# Allegro board 6089-119-RevA_41.brd (continued)
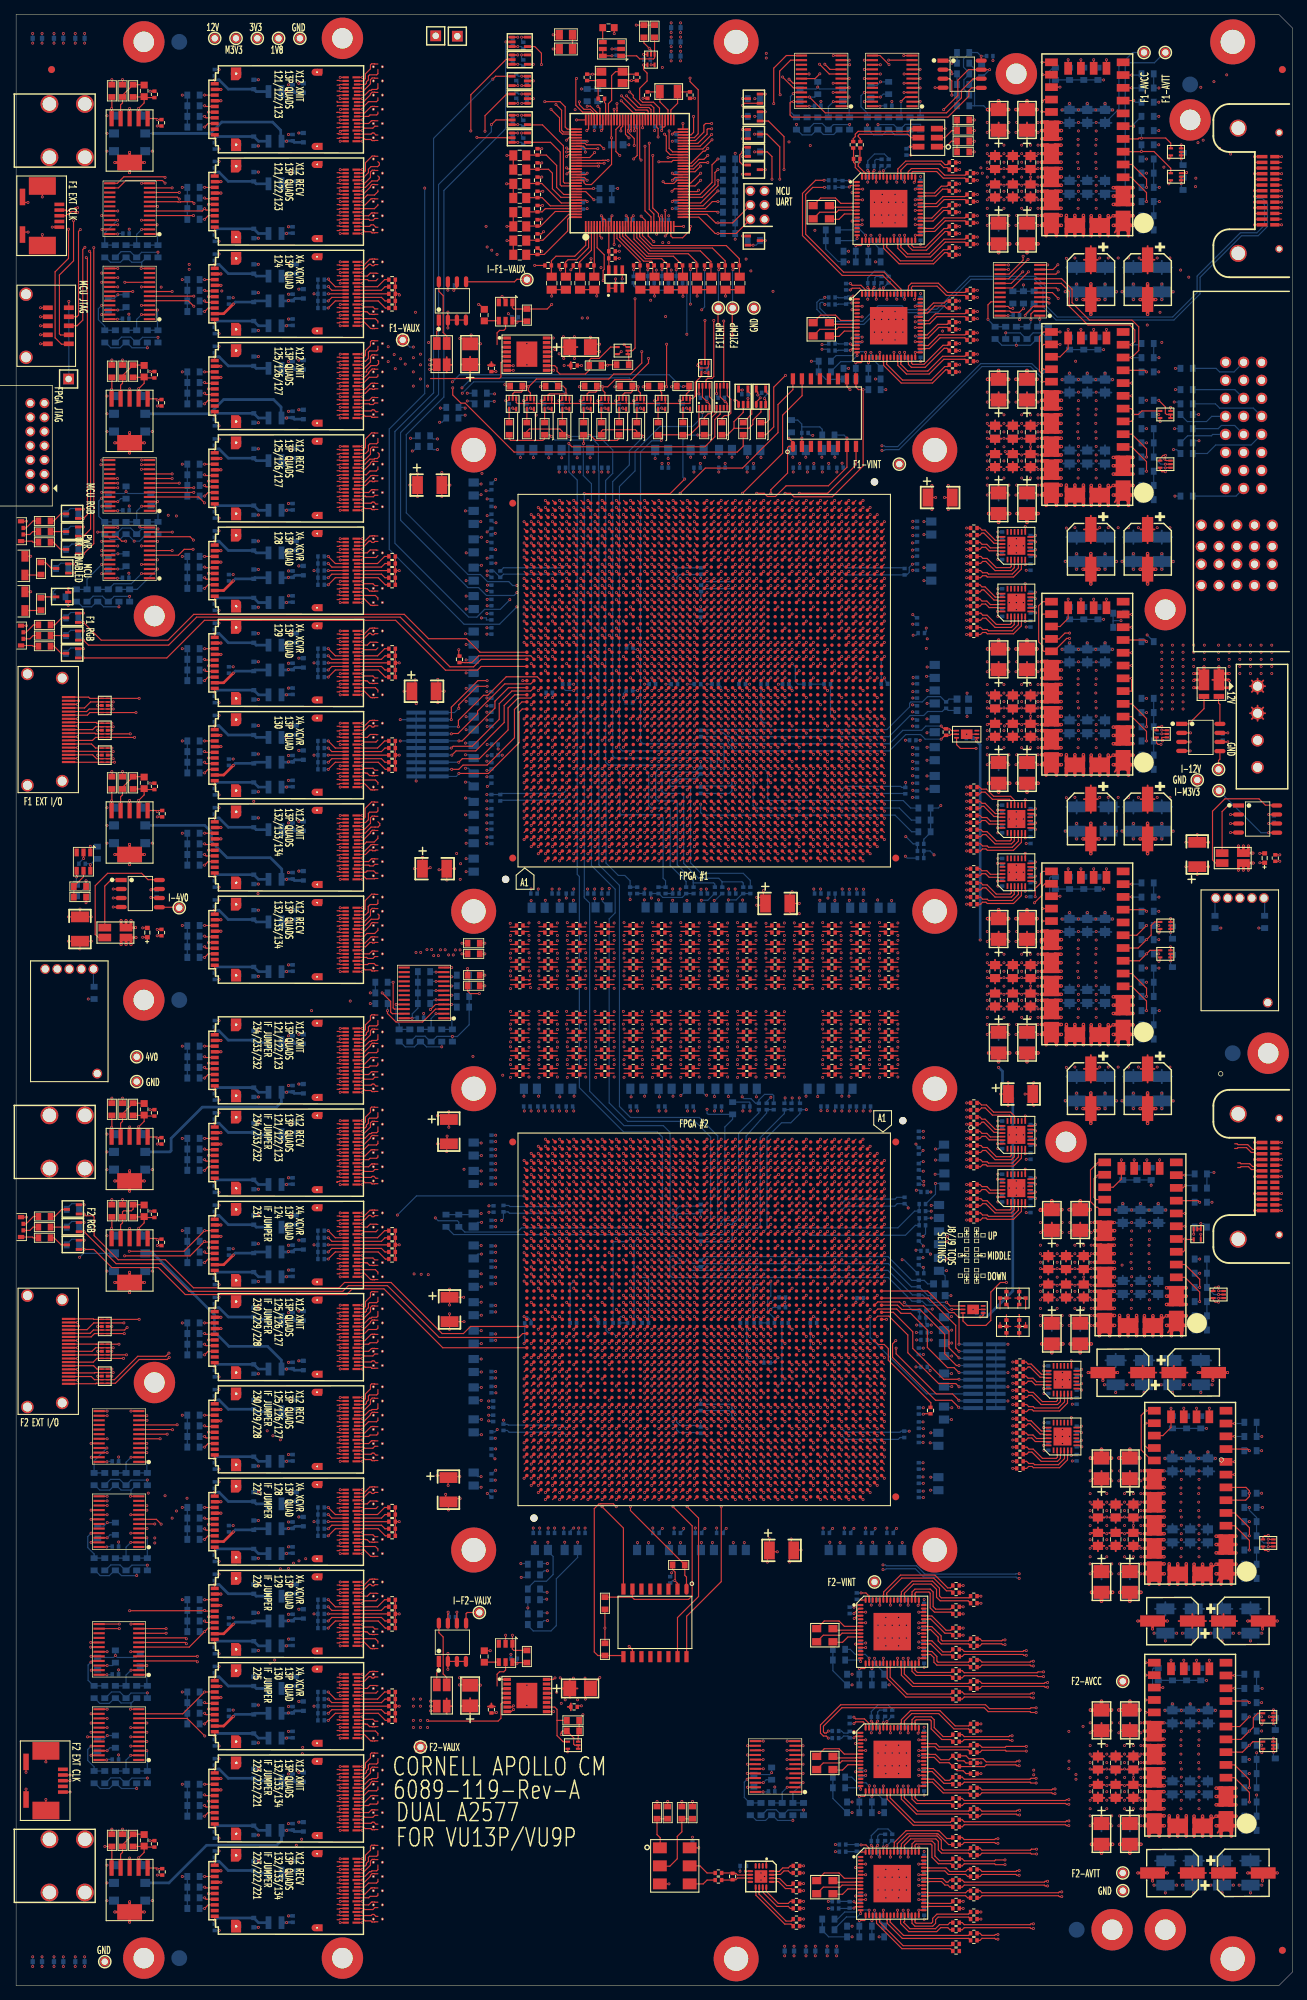
[diagram p0: board, top side]
## Routing (per net, layer and track width the routed paths; a pad name or vN(x,y) marks a point on that pad's centre or on a via; arc(x,y) is an arc through that point) (continued)
  GND5 w0.254: 49.98,28.4 VA95.3 ; VA95.3 50.04,28.72 ; VA95.3 50.37,28.02 ; VA95.3 50.18,27.99 ; VA95.3 50.04,28.08 ; VA95.3 50.37,28.78 ; VA95.3 49.95,28.21 ; VA95.3 49.95,28.59 ; 50.37,194.52 VA32.4 ; VA32.4 50.37,195.28 ; VA32.4 50.18,194.49 ; VA32.4 49.95,194.71 ; VA32.4 49.98,194.9 ; VA32.4 49.95,195.09 ; VA32.4 50.04,194.58 ; VA32.4 50.04,195.22 ; 50.04,229.08 VA18.3 ; VA18.3 50.37,229.78 ; VA18.3 50.37,229.02 ; VA18.3 49.95,229.21 ; VA18.3 49.98,229.4 ; VA18.3 50.18,228.99 ; VA18.3 49.95,229.59 ; VA18.3 50.04,229.72 ; 50.18,133.99 VA54.3 ; VA54.3 49.95,134.21 ; VA54.3 50.37,134.78 ; VA54.3 50.37,134.02 ; VA54.3 49.95,134.59 ; VA54.3 50.04,134.08 ; VA54.3 50.04,134.72 ; VA54.3 49.98,134.4 ; 49.98,41.9 VA90.3 ; VA90.3 50.04,42.22 ; VA90.3 49.95,41.71 ; VA90.3 50.37,41.52 ; VA90.3 50.37,42.28 ; VA90.3 50.04,41.58 ; VA90.3 49.95,42.09 ; VA90.3 50.18,41.49 ; VA24.4 52.05,216.59 ; VA24.4 52.05,216.21 ; VA24.4 51.96,216.08 ; VA24.4 51.63,216.78 ; VA24.4 51.96,216.72 ; VA24.4 52.02,216.4 ; VA24.4 51.82,216.81 ; VA24.4 51.63,216.02 ; VA28.4 52.05,208.59 ; VA28.4 51.96,208.08 ; VA28.4 51.63,208.78 ; VA28.4 51.63,208.02 ; VA28.4 52.02,208.4 ; VA28.4 52.05,208.21 ; VA28.4 51.96,208.72 ; VA28.4 51.82,208.81 ; 50.04,113.08 VA64.3 ; VA64.3 50.37,113.78 ; VA64.3 49.95,113.59 ; VA64.3 50.18,112.99 ; VA64.3 49.95,113.21 ; VA64.3 50.37,113.02 ; VA64.3 49.98,113.4 ; VA64.3 50.04,113.72 ; 49.95,68.09 VA82.3 ; VA82.3 50.18,67.49 ; VA82.3 49.98,67.9 ; VA82.3 50.37,68.28 ; VA82.3 49.95,67.71 ; VA82.3 50.37,67.52 ; VA82.3 50.04,68.22 ; VA82.3 50.04,67.58 ; 49.95,91.59 VA72.3 ; VA72.3 50.37,91.02 ; VA72.3 50.04,91.72 ; VA72.3 49.98,91.4 ; VA72.3 49.95,91.21 ; VA72.3 50.37,91.78 ; VA72.3 50.18,90.99 ; VA72.3 50.04,91.08 ; VA91.3 51.96,37.22 ; VA91.3 51.96,36.58 ; VA91.3 51.63,36.52 ; VA91.3 52.05,37.09 ; VA91.3 51.82,37.31 ; VA91.3 51.63,37.28 ; VA91.3 52.02,36.9 ; VA91.3 52.05,36.71 ; VA55.4 51.82,132.81 ; VA55.4 51.63,132.78 ; VA55.4 52.02,132.4 ; VA55.4 52.05,132.21 ; VA55.4 51.63,132.02 ; VA55.4 51.96,132.08 ; VA55.4 51.96,132.72 ; VA55.4 52.05,132.59 ; 50.37,201.52 VA30.3 ; VA30.3 50.04,202.22 ; VA30.3 49.95,202.09 ; VA30.3 49.98,201.9 ; VA30.3 50.04,201.58 ; VA30.3 50.37,202.28 ; VA30.3 49.95,201.71 ; VA30.3 50.18,201.49 ; 51.63,170.52 VA39.3 ; VA39.3 52.05,170.71 ; VA39.3 51.63,171.28 ; VA39.3 51.96,171.22 ; VA39.3 51.96,170.58 ; VA39.3 52.02,170.9 ; VA39.3 52.05,171.09 ; VA39.3 51.82,171.31 ; 51.63,54.52 VA86.4 ; VA86.4 51.63,55.28 ; VA86.4 51.96,54.58 ; VA86.4 51.82,55.31 ; VA86.4 51.96,55.22 ; VA86.4 52.05,55.09 ; VA86.4 52.02,54.9 ; VA86.4 52.05,54.71 ; VA23.4 52.05,218.21 ; VA23.4 51.96,218.72 ; VA23.4 51.63,218.78 ; VA23.4 51.63,218.02 ; VA23.4 52.02,218.4 ; VA23.4 51.82,218.81 ; VA23.4 51.96,218.08 ; VA23.4 52.05,218.59 ; 49.95,93.59 VA71.3 ; VA71.3 50.18,92.99 ; VA71.3 50.37,93.78 ; VA71.3 50.04,93.72 ; VA71.3 50.37,93.02 ; VA71.3 49.95,93.21 ; VA71.3 50.04,93.08 ; VA71.3 49.98,93.4 ; VA31.3 51.96,197.22 ; VA31.3 51.82,197.31 ; VA31.3 52.05,197.09 ; VA31.3 52.02,196.9 ; VA31.3 52.05,196.71 ; VA31.3 51.96,196.58 ; VA31.3 51.63,197.28 ; VA31.3 51.63,196.52 ; 50.04,76.72 VA79.3 ; VA79.3 50.18,75.99 ; VA79.3 49.95,76.59 ; VA79.3 49.98,76.4 ; VA79.3 50.04,76.08 ; VA79.3 50.37,76.78 ; VA79.3 49.95,76.21 ; VA79.3 50.37,76.02 ; PM1.1 13.38,3.4 ; PM1.1 13.17,2.73 ; PM1.1 11.83,2.73 ; PM1.1 12.5,4.28 ; PM1.1 12.5,2.52 ; PM1.1 11.83,4.07 ; PM1.1 13.17,4.07 ; PM1.1 11.62,3.4 ; 51.63,225.02 VA20.4 ; VA20.4 51.96,225.08 ; VA20.4 52.02,225.4 ; VA20.4 52.05,225.21 ; VA20.4 51.63,225.78 ; VA20.4 52.05,225.59 ; VA20.4 51.82,225.81 ; VA20.4 51.96,225.72 ; VA2.4 51.63,268.78 ; VA2.4 52.05,268.59 ; VA2.4 51.82,268.81 ; VA2.4 51.96,268.08 ; VA2.4 51.96,268.72 ; VA2.4 52.02,268.4 ; VA2.4 51.63,268.02 ; VA2.4 52.05,268.21 ; 51.63,229.02 VA18.4 ; VA18.4 52.05,229.59 ; VA18.4 51.82,229.81 ; VA18.4 51.96,229.72 ; VA18.4 52.05,229.21 ; VA18.4 52.02,229.4 ; VA18.4 51.63,229.78 ; VA18.4 51.96,229.08 ; VA101.4 51.82,15.81 ; VA101.4 52.05,15.59 ; VA101.4 51.96,15.08 ; VA101.4 52.02,15.4 ; VA101.4 51.63,15.78 ; VA101.4 51.63,15.02 ; VA101.4 51.96,15.72 ; VA101.4 52.05,15.21 ; 50.18,86.99 VA74.3 ; VA74.3 50.37,87.78 ; VA74.3 49.95,87.59 ; VA74.3 50.37,87.02 ; VA74.3 49.98,87.4 ; VA74.3 50.04,87.72 ; VA74.3 49.95,87.21 ; VA74.3 50.04,87.08 ; VA46.4 52.02,156.4 ; VA46.4 51.63,156.02 ; VA46.4 51.63,156.78 ; VA46.4 51.96,156.08 ; VA46.4 51.82,156.81 ; VA46.4 51.96,156.72 ; VA46.4 52.05,156.21 ; VA46.4 52.05,156.59 ; VA84.3 51.63,61.28 ; VA84.3 52.05,60.71 ; VA84.3 52.02,60.9 ; VA84.3 51.82,61.31 ; VA84.3 51.96,61.22 ; VA84.3 51.96,60.58 ; VA84.3 52.05,61.09 ; VA84.3 51.63,60.52 ; 51.63,190.52 VA33.4 ; VA33.4 51.82,191.31 ; VA33.4 51.96,191.22 ; VA33.4 51.96,190.58 ; VA33.4 51.63,191.28 ; VA33.4 52.05,190.71 ; VA33.4 52.02,190.9 ; VA33.4 52.05,191.09 ; VA58.4 51.96,126.08 ; VA58.4 52.05,126.59 ; VA58.4 51.63,126.02 ; VA58.4 52.02,126.4 ; VA58.4 51.96,126.72 ; VA58.4 51.82,126.81 ; VA58.4 52.05,126.21 ; VA58.4 51.63,126.78 ; VA94.3 50.37,30.78 ; VA94.3 50.04,30.08 ; VA94.3 50.18,29.99 ; VA94.3 50.37,30.02 ; VA94.3 49.95,30.21 ; VA94.3 49.95,30.59 ; VA94.3 50.04,30.72 ; VA94.3 49.98,30.4 ; VA99.4 51.63,19.78 ; VA99.4 51.96,19.08 ; VA99.4 52.02,19.4 ; VA99.4 51.63,19.02 ; VA99.4 51.82,19.81 ; VA99.4 51.96,19.72 ; VA99.4 52.05,19.21 ; VA99.4 52.05,19.59 ; 49.95,61.09 VA84.4 ; VA84.4 50.37,60.52 ; VA84.4 50.04,60.58 ; VA84.4 49.95,60.71 ; VA84.4 50.37,61.28 ; VA84.4 50.18,60.49 ; VA84.4 49.98,60.9 ; VA84.4 50.04,61.22 ; VA56.4 52.02,130.4 ; VA56.4 52.05,130.21 ; VA56.4 51.82,130.81 ; VA56.4 51.96,130.08 ; VA56.4 51.96,130.72 ; VA56.4 51.63,130.02 ; VA56.4 51.63,130.78 ; VA56.4 52.05,130.59 ; 6.5,168.67 J5.21 ; J5.21 5.69,170.54 ; J5.21 7.57,169.74 ; J5.21 5.69,168.93 ; J5.21 5.43,169.74 ; J5.21 6.5,170.8 ; J5.21 7.31,170.54 ; J5.21 7.31,168.93 ; VA63.4 51.82,115.81 ; VA63.4 52.05,115.59 ; VA63.4 51.63,115.02 ; VA63.4 51.96,115.72 ; VA63.4 51.96,115.08 ; VA63.4 52.02,115.4 ; VA63.4 52.05,115.21 ; VA63.4 51.63,115.78 ; VA32.3 51.96,195.22 ; VA32.3 52.05,194.71 ; VA32.3 51.96,194.58 ; VA32.3 52.05,195.09 ; VA32.3 52.02,194.9 ; VA32.3 51.63,195.28 ; VA32.3 51.82,195.31 ; VA32.3 51.63,194.52 ; PM21.1 156.67,12.73 ; PM21.1 155.12,13.4 ; PM21.1 155.33,14.07 ; PM21.1 155.33,12.73 ; PM21.1 156.88,13.4 ; PM21.1 156.67,14.07 ; PM21.1 156,12.52 ; PM21.1 156,14.28 ; VA44.4 52.05,160.21 ; VA44.4 52.05,160.59 ; VA44.4 51.96,160.08 ; VA44.4 51.63,160.02 ; VA44.4 51.82,160.81 ; VA44.4 51.63,160.78 ; VA44.4 51.96,160.72 ; VA44.4 52.02,160.4 ; U1.3 7.5,144.14 ; U1.3 8.17,143.94 ; U1.3 8.17,142.6 ; U1.3 6.83,143.94 ; U1.3 6.83,142.6 ; U1.3 7.12,142.4 ; U1.3 7.88,144.14 ; U1.3 7.5,142.39 ; VA100.4 51.96,17.08 ; VA100.4 52.05,17.21 ; VA100.4 51.82,17.81 ; VA100.4 51.63,17.02 ; VA100.4 52.02,17.4 ; VA100.4 51.96,17.72 ; VA100.4 52.05,17.59 ; VA100.4 51.63,17.78 ; 50.37,218.02 VA23.3 ; VA23.3 50.04,218.72 ; VA23.3 50.37,218.78 ; VA23.3 50.04,218.08 ; VA23.3 50.18,217.99 ; VA23.3 49.95,218.21 ; VA23.3 49.98,218.4 ; VA23.3 49.95,218.59 ; VA17.4 51.82,231.81 ; VA17.4 52.05,231.59 ; VA17.4 51.63,231.02 ; VA17.4 52.05,231.21 ; VA17.4 51.63,231.78 ; VA17.4 51.96,231.08 ; VA17.4 51.96,231.72 ; VA17.4 52.02,231.4 ; 50.04,184.22 VA35.4 ; VA35.4 50.37,183.52 ; VA35.4 50.18,183.49 ; VA35.4 49.98,183.9 ; VA35.4 49.95,184.09 ; VA35.4 50.04,183.58 ; VA35.4 50.37,184.28 ; VA35.4 49.95,183.71 ; VA54.4 51.63,134.78 ; VA54.4 52.05,134.59 ; VA54.4 51.96,134.72 ; VA54.4 52.02,134.4 ; VA54.4 52.05,134.21 ; VA54.4 51.96,134.08 ; VA54.4 51.63,134.02 ; VA54.4 51.82,134.81 ; 50.18,220.99 VA22.3 ; VA22.3 49.95,221.59 ; VA22.3 50.04,221.72 ; VA22.3 50.37,221.02 ; VA22.3 50.04,221.08 ; VA22.3 50.37,221.78 ; VA22.3 49.98,221.4 ; VA22.3 49.95,221.21 ; VA45.3 50.37,158.78 ; VA45.3 49.98,158.4 ; VA45.3 50.04,158.08 ; VA45.3 50.04,158.72 ; VA45.3 49.95,158.59 ; VA45.3 49.95,158.21 ; VA45.3 50.18,157.99 ; VA45.3 50.37,158.02 ; VA52.4 51.63,143.78 ; VA52.4 52.05,143.21 ; VA52.4 51.82,143.81 ; VA52.4 52.02,143.4 ; VA52.4 51.96,143.08 ; VA52.4 52.05,143.59 ; VA52.4 51.96,143.72 ; VA52.4 51.63,143.02 ; VA98.4 52.02,22.4 ; VA98.4 52.05,22.59 ; VA98.4 52.05,22.21 ; VA98.4 51.96,22.08 ; VA98.4 51.82,22.81 ; VA98.4 51.63,22.02 ; VA98.4 51.96,22.72 ; VA98.4 51.63,22.78 ; 50.18,83.99 VA75.3 ; VA75.3 50.37,84.02 ; VA75.3 49.98,84.4 ; VA75.3 50.37,84.78 ; VA75.3 50.04,84.08 ; VA75.3 49.95,84.21 ; VA75.3 50.04,84.72 ; VA75.3 49.95,84.59 ; VA8.4 51.96,255.72 ; VA8.4 51.63,255.02 ; VA8.4 52.02,255.4 ; VA8.4 51.82,255.81 ; VA8.4 51.63,255.78 ; VA8.4 51.96,255.08 ; VA8.4 52.05,255.59 ; VA8.4 52.05,255.21 ; 50.04,176.22 VA38.3 ; VA38.3 50.37,175.52 ; VA38.3 50.18,175.49 ; VA38.3 49.95,175.71 ; VA38.3 50.37,176.28 ; VA38.3 50.04,175.58 ; VA38.3 49.98,175.9 ; VA38.3 49.95,176.09 ; PM9.1 40,275.28 ; PM9.1 39.12,274.4 ; PM9.1 40.88,274.4 ; PM9.1 39.33,275.07 ; PM9.1 40.67,275.07 ; PM9.1 40,273.52 ; PM9.1 39.33,273.73 ; PM9.1 40.67,273.73 ; VA81.4 51.96,69.58 ; VA81.4 52.02,69.9 ; VA81.4 52.05,70.09 ; VA81.4 51.82,70.31 ; VA81.4 51.63,70.28 ; VA81.4 51.96,70.22 ; VA81.4 51.63,69.52 ; VA81.4 52.05,69.71 ; VA67.3 51.96,101.58 ; VA67.3 52.02,101.9 ; VA67.3 51.63,101.52 ; VA67.3 51.82,102.31 ; VA67.3 51.96,102.22 ; VA67.3 52.05,101.71 ; VA67.3 52.05,102.09 ; VA67.3 51.63,102.28 ; 49.98,227.4 VA19.3 ; VA19.3 50.37,227.78 ; VA19.3 50.18,226.99 ; VA19.3 50.37,227.02 ; VA19.3 49.95,227.21 ; VA19.3 49.95,227.59 ; VA19.3 50.04,227.08 ; VA19.3 50.04,227.72 ; 49.95,123.21 VA59.3 ; VA59.3 49.98,123.4 ; VA59.3 50.04,123.08 ; VA59.3 50.37,123.02 ; VA59.3 50.18,122.99 ; VA59.3 49.95,123.59 ; VA59.3 50.04,123.72 ; VA59.3 50.37,123.78 ; 50.04,164.08 VA42.3 ; VA42.3 49.95,164.59 ; VA42.3 49.98,164.4 ; VA42.3 50.18,163.99 ; VA42.3 49.95,164.21 ; VA42.3 50.37,164.02 ; VA42.3 50.04,164.72 ; VA42.3 50.37,164.78 ; VA24.3 50.37,216.78 ; VA24.3 50.04,216.72 ; VA24.3 50.37,216.02 ; VA24.3 49.95,216.59 ; VA24.3 50.18,215.99 ; VA24.3 50.04,216.08 ; VA24.3 49.95,216.21 ; VA24.3 49.98,216.4 ; 50.37,17.02 VA100.3 ; VA100.3 49.95,17.21 ; VA100.3 49.95,17.59 ; VA100.3 50.04,17.08 ; VA100.3 50.04,17.72 ; VA100.3 50.37,17.78 ; VA100.3 50.18,16.99 ; VA100.3 49.98,17.4 ; VA37.4 51.96,178.22 ; VA37.4 52.02,177.9 ; VA37.4 51.82,178.31 ; VA37.4 52.05,177.71 ; VA37.4 51.63,177.52 ; VA37.4 51.63,178.28 ; VA37.4 51.96,177.58 ; VA37.4 52.05,178.09 ; 50.18,81.99 VA76.3 ; VA76.3 49.98,82.4 ; VA76.3 49.95,82.59 ; VA76.3 50.37,82.02 ; VA76.3 50.04,82.72 ; VA76.3 50.04,82.08 ; VA76.3 49.95,82.21 ; VA76.3 50.37,82.78 ; VA21.4 52.05,223.21 ; VA21.4 51.82,223.81 ; VA21.4 52.02,223.4 ; VA21.4 51.63,223.78 ; VA21.4 51.63,223.02 ; VA21.4 52.05,223.59 ; VA21.4 51.96,223.08 ; VA21.4 51.96,223.72 ; VA21.3 50.37,223.78 ; VA21.3 50.18,222.99 ; VA21.3 50.37,223.02 ; VA21.3 49.95,223.59 ; VA21.3 49.95,223.21 ; VA21.3 50.04,223.08 ; VA21.3 50.04,223.72 ; VA21.3 49.98,223.4 ; VA10.4 51.63,251.78 ; VA10.4 51.82,251.81 ; VA10.4 52.02,251.4 ; VA10.4 51.63,251.02 ; VA10.4 52.05,251.59 ; VA10.4 51.96,251.08 ; VA10.4 52.05,251.21 ; VA10.4 51.96,251.72 ; 50.37,268.02 VA2.3 ; VA2.3 49.95,268.59 ; VA2.3 49.95,268.21 ; VA2.3 49.98,268.4 ; VA2.3 50.18,267.99 ; VA2.3 50.04,268.08 ; VA2.3 50.37,268.78 ; VA2.3 50.04,268.72 ; 50.18,25.99 VA96.3 ; VA96.3 50.37,26.78 ; VA96.3 50.37,26.02 ; VA96.3 50.04,26.08 ; VA96.3 50.04,26.72 ; VA96.3 49.95,26.21 ; VA96.3 49.98,26.4 ; VA96.3 49.95,26.59 ; VA77.4 52.05,80.59 ; VA77.4 51.82,80.81 ; VA77.4 51.96,80.72 ; VA77.4 51.96,80.08 ; VA77.4 52.05,80.21 ; VA77.4 51.63,80.02 ; VA77.4 51.63,80.78 ; VA77.4 52.02,80.4 ; 49.95,117.21 VA62.3 ; VA62.3 49.98,117.4 ; VA62.3 50.04,117.08 ; VA62.3 50.04,117.72 ; VA62.3 50.37,117.78 ; VA62.3 49.95,117.59 ; VA62.3 50.37,117.02 ; VA62.3 50.18,116.99 ; 49.95,55.09 VA86.3 ; VA86.3 50.37,55.28 ; VA86.3 50.04,54.58 ; VA86.3 49.95,54.71 ; VA86.3 49.98,54.9 ; VA86.3 50.37,54.52 ; VA86.3 50.18,54.49 ; VA86.3 50.04,55.22 ; VA72.4 51.96,91.72 ; VA72.4 51.96,91.08 ; VA72.4 52.05,91.21 ; VA72.4 51.63,91.02 ; VA72.4 51.63,91.78 ; VA72.4 51.82,91.81 ; VA72.4 52.02,91.4 ; VA72.4 52.05,91.59 ; 49.95,153.21 VA47.3 ; VA47.3 50.37,153.78 ; VA47.3 50.18,152.99 ; VA47.3 49.95,153.59 ; VA47.3 50.04,153.72 ; VA47.3 50.37,153.02 ; VA47.3 49.98,153.4 ; VA47.3 50.04,153.08 ; 50.18,259.99 VA6.3 ; VA6.3 50.37,260.78 ; VA6.3 49.95,260.59 ; VA6.3 49.98,260.4 ; VA6.3 49.95,260.21 ; VA6.3 50.04,260.08 ; VA6.3 50.04,260.72 ; VA6.3 50.37,260.02 ; VA70.4 52.05,95.21 ; VA70.4 51.63,95.78 ; VA70.4 51.63,95.02 ; VA70.4 51.82,95.81 ; VA70.4 51.96,95.08 ; VA70.4 51.96,95.72 ; VA70.4 52.05,95.59 ; VA70.4 52.02,95.4 ; 50.04,270.72 VA1.3 ; VA1.3 50.37,270.78 ; VA1.3 49.95,270.59 ; VA1.3 49.95,270.21 ; VA1.3 49.98,270.4 ; VA1.3 50.18,269.99 ; VA1.3 50.37,270.02 ; VA1.3 50.04,270.08 ; 51.63,188.52 VA34.4 ; VA34.4 51.63,189.28 ; VA34.4 52.05,189.09 ; VA34.4 52.05,188.71 ; VA34.4 51.96,188.58 ; VA34.4 51.82,189.31 ; VA34.4 51.96,189.22 ; VA34.4 52.02,188.9 ; VA90.4 52.05,41.71 ; VA90.4 51.63,42.28 ; VA90.4 51.96,42.22 ; VA90.4 51.82,42.31 ; VA90.4 52.05,42.09 ; VA90.4 52.02,41.9 ; VA90.4 51.96,41.58 ; VA90.4 51.63,41.52 ; VA42.4 52.02,164.4 ; VA42.4 51.82,164.81 ; VA42.4 51.96,164.08 ; VA42.4 52.05,164.59 ; VA42.4 52.05,164.21 ; VA42.4 51.63,164.78 ; VA42.4 51.63,164.02 ; VA42.4 51.96,164.72 ; U122.3 173.17,153.94 ; U122.3 171.83,152.6 ; U122.3 171.83,153.94 ; U122.3 172.12,152.4 ; U122.3 172.88,154.14 ; U122.3 173.17,152.6 ; U122.3 172.5,154.14 ; U122.3 172.5,152.39 ; 165.62,169.9 PM24.1 ; PM24.1 166.5,169.02 ; PM24.1 165.83,170.57 ; PM24.1 167.17,169.23 ; PM24.1 165.83,169.23 ; PM24.1 167.38,169.9 ; PM24.1 167.17,170.57 ; PM24.1 166.5,170.78 ; 50.18,23.99 VA97.3 ; VA97.3 50.37,24.78 ; VA97.3 49.98,24.4 ; VA97.3 49.95,24.21 ; VA97.3 50.04,24.72 ; VA97.3 50.04,24.08 ; VA97.3 49.95,24.59 ; VA97.3 50.37,24.02 ; J6.23 2.05,98.29 ; J6.23 1.6,96.18 ; J6.23 1.6,98.32 ; J6.23 1.15,96.2 ; J6.23 2.4,98.05 ; J6.23 2.64,97.7 ; J6.23 2.4,96.44 ; J6.23 2.66,97.25 ; 51.63,82.02 VA76.4 ; VA76.4 52.05,82.21 ; VA76.4 52.02,82.4 ; VA76.4 51.63,82.78 ; VA76.4 51.82,82.81 ; VA76.4 52.05,82.59 ; VA76.4 51.96,82.08 ; VA76.4 51.96,82.72 ; 50.04,181.58 VA36.4 ; VA36.4 49.95,182.09 ; VA36.4 50.37,182.28 ; VA36.4 50.18,181.49 ; VA36.4 50.04,182.22 ; VA36.4 49.95,181.71 ; VA36.4 50.37,181.52 ; VA36.4 49.98,181.9 ; VA13.3 50.37,243.28 ; VA13.3 50.04,242.58 ; VA13.3 50.37,242.52 ; VA13.3 50.04,243.22 ; VA13.3 49.95,243.09 ; VA13.3 49.98,242.9 ; VA13.3 50.18,242.49 ; VA13.3 49.95,242.71 ; 49.95,264.21 VA4.3 ; VA4.3 49.95,264.59 ; VA4.3 50.04,264.08 ; VA4.3 50.37,264.02 ; VA4.3 50.18,263.99 ; VA4.3 50.37,264.78 ; VA4.3 49.98,264.4 ; VA4.3 50.04,264.72 ; J6.20 2.66,81.55 ; J6.20 1.6,82.62 ; J6.20 2.4,82.36 ; J6.20 2.05,82.6 ; J6.20 1.15,80.51 ; J6.20 2.4,80.75 ; J6.20 2.64,82 ; J6.20 1.6,80.48 ; VA73.4 52.05,89.59 ; VA73.4 51.96,89.72 ; VA73.4 51.63,89.02 ; VA73.4 51.63,89.78 ; VA73.4 51.82,89.81 ; VA73.4 51.96,89.08 ; VA73.4 52.02,89.4 ; VA73.4 52.05,89.21 ; VA104.4 52.05,9.21 ; VA104.4 51.63,9.02 ; VA104.4 52.05,9.59 ; VA104.4 51.96,9.72 ; VA104.4 51.82,9.81 ; VA104.4 51.96,9.08 ; VA104.4 52.02,9.4 ; VA104.4 51.63,9.78 ; VA74.4 51.96,87.08 ; VA74.4 51.63,87.78 ; VA74.4 52.05,87.21 ; VA74.4 51.63,87.02 ; VA74.4 51.82,87.81 ; VA74.4 52.05,87.59 ; VA74.4 51.96,87.72 ; VA74.4 52.02,87.4 ; J5.23 2.4,184.04 ; J5.23 1.6,185.92 ; J5.23 2.05,185.89 ; J5.23 2.66,184.85 ; J5.23 2.4,185.65 ; J5.23 1.6,183.78 ; J5.23 1.15,183.8 ; J5.23 2.64,185.3 ; VA11.4 52.05,249.59 ; VA11.4 52.05,249.21 ; VA11.4 51.63,249.78 ; VA11.4 52.02,249.4 ; VA11.4 51.96,249.08 ; VA11.4 51.82,249.81 ; VA11.4 51.63,249.02 ; VA11.4 51.96,249.72 ; VA49.3 50.37,149.78 ; VA49.3 49.95,149.59 ; VA49.3 49.98,149.4 ; VA49.3 50.37,149.02 ; VA49.3 50.04,149.72 ; VA49.3 50.18,148.99 ; VA49.3 49.95,149.21 ; VA49.3 50.04,149.08 ; 50.04,208.08 VA28.3 ; VA28.3 49.98,208.4 ; VA28.3 50.18,207.99 ; VA28.3 49.95,208.21 ; VA28.3 50.37,208.78 ; VA28.3 49.95,208.59 ; VA28.3 50.04,208.72 ; VA28.3 50.37,208.02 ; 49.95,9.59 VA104.3 ; VA104.3 50.37,9.78 ; VA104.3 49.98,9.4 ; VA104.3 50.37,9.02 ; VA104.3 50.04,9.72 ; VA104.3 49.95,9.21 ; VA104.3 50.18,8.99 ; VA104.3 50.04,9.08 ; 49.95,97.21 VA69.3 ; VA69.3 49.95,97.59 ; VA69.3 50.04,97.72 ; VA69.3 50.37,97.02 ; VA69.3 50.04,97.08 ; VA69.3 50.18,96.99 ; VA69.3 50.37,97.78 ; VA69.3 49.98,97.4 ; VA6.4 51.96,260.08 ; VA6.4 52.05,260.59 ; VA6.4 52.02,260.4 ; VA6.4 52.05,260.21 ; VA6.4 51.96,260.72 ; VA6.4 51.63,260.78 ; VA6.4 51.82,260.81 ; VA6.4 51.63,260.02 ; 49.98,15.4 VA101.3 ; VA101.3 49.95,15.59 ; VA101.3 50.37,15.78 ; VA101.3 50.37,15.02 ; VA101.3 50.04,15.08 ; VA101.3 50.18,14.99 ; VA101.3 49.95,15.21 ; VA101.3 50.04,15.72 ; 49.98,196.9 VA31.4 ; VA31.4 50.37,197.28 ; VA31.4 49.95,197.09 ; VA31.4 49.95,196.71 ; VA31.4 50.18,196.49 ; VA31.4 50.04,196.58 ; VA31.4 50.37,196.52 ; VA31.4 50.04,197.22 ; VA27.4 51.82,210.81 ; VA27.4 51.63,210.02 ; VA27.4 51.63,210.78 ; VA27.4 52.05,210.59 ; VA27.4 52.02,210.4 ; VA27.4 51.96,210.72 ; VA27.4 52.05,210.21 ; VA27.4 51.96,210.08 ; 50.37,121.02 VA60.3 ; VA60.3 50.04,121.08 ; VA60.3 50.18,120.99 ; VA60.3 49.95,121.21 ; VA60.3 50.37,121.78 ; VA60.3 49.95,121.59 ; VA60.3 49.98,121.4 ; VA60.3 50.04,121.72 ; VA79.4 52.05,76.59 ; VA79.4 51.96,76.72 ; VA79.4 51.82,76.81 ; VA79.4 51.96,76.08 ; VA79.4 52.05,76.21 ; VA79.4 51.63,76.78 ; VA79.4 51.63,76.02 ; VA79.4 52.02,76.4 ; VA64.4 51.82,113.81 ; VA64.4 51.96,113.08 ; VA64.4 51.63,113.78 ; VA64.4 52.05,113.59 ; VA64.4 51.63,113.02 ; VA64.4 52.02,113.4 ; VA64.4 51.96,113.72 ; VA64.4 52.05,113.21 ; J6.21 6.5,83.2 ; J6.21 7.57,82.14 ; J6.21 6.5,81.07 ; J6.21 7.31,82.94 ; J6.21 7.31,81.33 ; J6.21 5.69,82.94 ; J6.21 5.69,81.33 ; J6.21 5.43,82.14 ; 49.98,162.4 VA43.3 ; VA43.3 50.37,162.78 ; VA43.3 50.04,162.72 ; VA43.3 50.04,162.08 ; VA43.3 50.18,161.99 ; VA43.3 49.95,162.59 ; VA43.3 50.37,162.02 ; VA43.3 49.95,162.21 ; 50.37,147.02 VA50.3 ; VA50.3 50.37,147.78 ; VA50.3 50.18,146.99 ; VA50.3 49.95,147.59 ; VA50.3 50.04,147.72 ; VA50.3 49.98,147.4 ; VA50.3 50.04,147.08 ; VA50.3 49.95,147.21 ; 51.63,119.02 VA61.4 ; VA61.4 51.96,119.08 ; VA61.4 52.05,119.59 ; VA61.4 51.82,119.81 ; VA61.4 51.63,119.78 ; VA61.4 52.05,119.21 ; VA61.4 51.96,119.72 ; VA61.4 52.02,119.4 ; 50.04,32.72 VA93.3 ; VA93.3 50.04,32.08 ; VA93.3 49.95,32.21 ; VA93.3 49.98,32.4 ; VA93.3 50.18,31.99 ; VA93.3 49.95,32.59 ; VA93.3 50.37,32.78 ; VA93.3 50.37,32.02 ; VA14.4 51.96,241.22 ; VA14.4 51.63,240.52 ; VA14.4 52.05,241.09 ; VA14.4 51.63,241.28 ; VA14.4 51.96,240.58 ; VA14.4 52.05,240.71 ; VA14.4 52.02,240.9 ; VA14.4 51.82,241.31 ; 50.04,49.58 VA87.4 ; VA87.4 50.37,49.52 ; VA87.4 49.98,49.9 ; VA87.4 50.18,49.49 ; VA87.4 50.37,50.28 ; VA87.4 49.95,49.71 ; VA87.4 49.95,50.09 ; VA87.4 50.04,50.22 ; 50.04,212.72 VA26.3 ; VA26.3 50.37,212.78 ; VA26.3 50.18,211.99 ; VA26.3 50.04,212.08 ; VA26.3 50.37,212.02 ; VA26.3 49.98,212.4 ; VA26.3 49.95,212.59 ; VA26.3 49.95,212.21 ; 50.04,13.72 VA102.3 ; VA102.3 49.95,13.59 ; VA102.3 49.95,13.21 ; VA102.3 50.37,13.02 ; VA102.3 50.04,13.08 ; VA102.3 49.98,13.4 ; VA102.3 50.18,12.99 ; VA102.3 50.37,13.78 ; 49.98,168.9 VA40.4 ; VA40.4 50.18,168.49 ; VA40.4 50.37,169.28 ; VA40.4 49.95,169.09 ; VA40.4 50.04,169.22 ; VA40.4 50.04,168.58 ; VA40.4 50.37,168.52 ; VA40.4 49.95,168.71 ; VA1.4 52.05,270.59 ; VA1.4 51.82,270.81 ; VA1.4 52.02,270.4 ; VA1.4 51.96,270.08 ; VA1.4 52.05,270.21 ; VA1.4 51.63,270.02 ; VA1.4 51.96,270.72 ; VA1.4 51.63,270.78 ; VA78.4 51.96,78.08 ; VA78.4 51.63,78.02 ; VA78.4 51.96,78.72 ; VA78.4 52.05,78.59 ; VA78.4 52.05,78.21 ; VA78.4 51.63,78.78 ; VA78.4 51.82,78.81 ; VA78.4 52.02,78.4 ; VA59.4 52.05,123.21 ; VA59.4 51.63,123.78 ; VA59.4 51.96,123.08 ; VA59.4 51.63,123.02 ; VA59.4 52.02,123.4 ; VA59.4 51.96,123.72 ; VA59.4 52.05,123.59 ; VA59.4 51.82,123.81 ; VA45.4 51.82,158.81 ; VA45.4 52.05,158.59 ; VA45.4 51.96,158.08 ; VA45.4 51.63,158.02 ; VA45.4 52.05,158.21 ; VA45.4 51.96,158.72 ; VA45.4 52.02,158.4 ; VA45.4 51.63,158.78 ; VA80.4 52.05,74.21 ; VA80.4 51.96,74.08 ; VA80.4 51.82,74.81 ; VA80.4 52.02,74.4 ; VA80.4 51.96,74.72 ; VA80.4 51.63,74.02 ; VA80.4 52.05,74.59 ; VA80.4 51.63,74.78 ; VA43.4 51.63,162.78 ; VA43.4 52.05,162.21 ; VA43.4 